# Allegro board LAY-31407_C2.brd (continued)
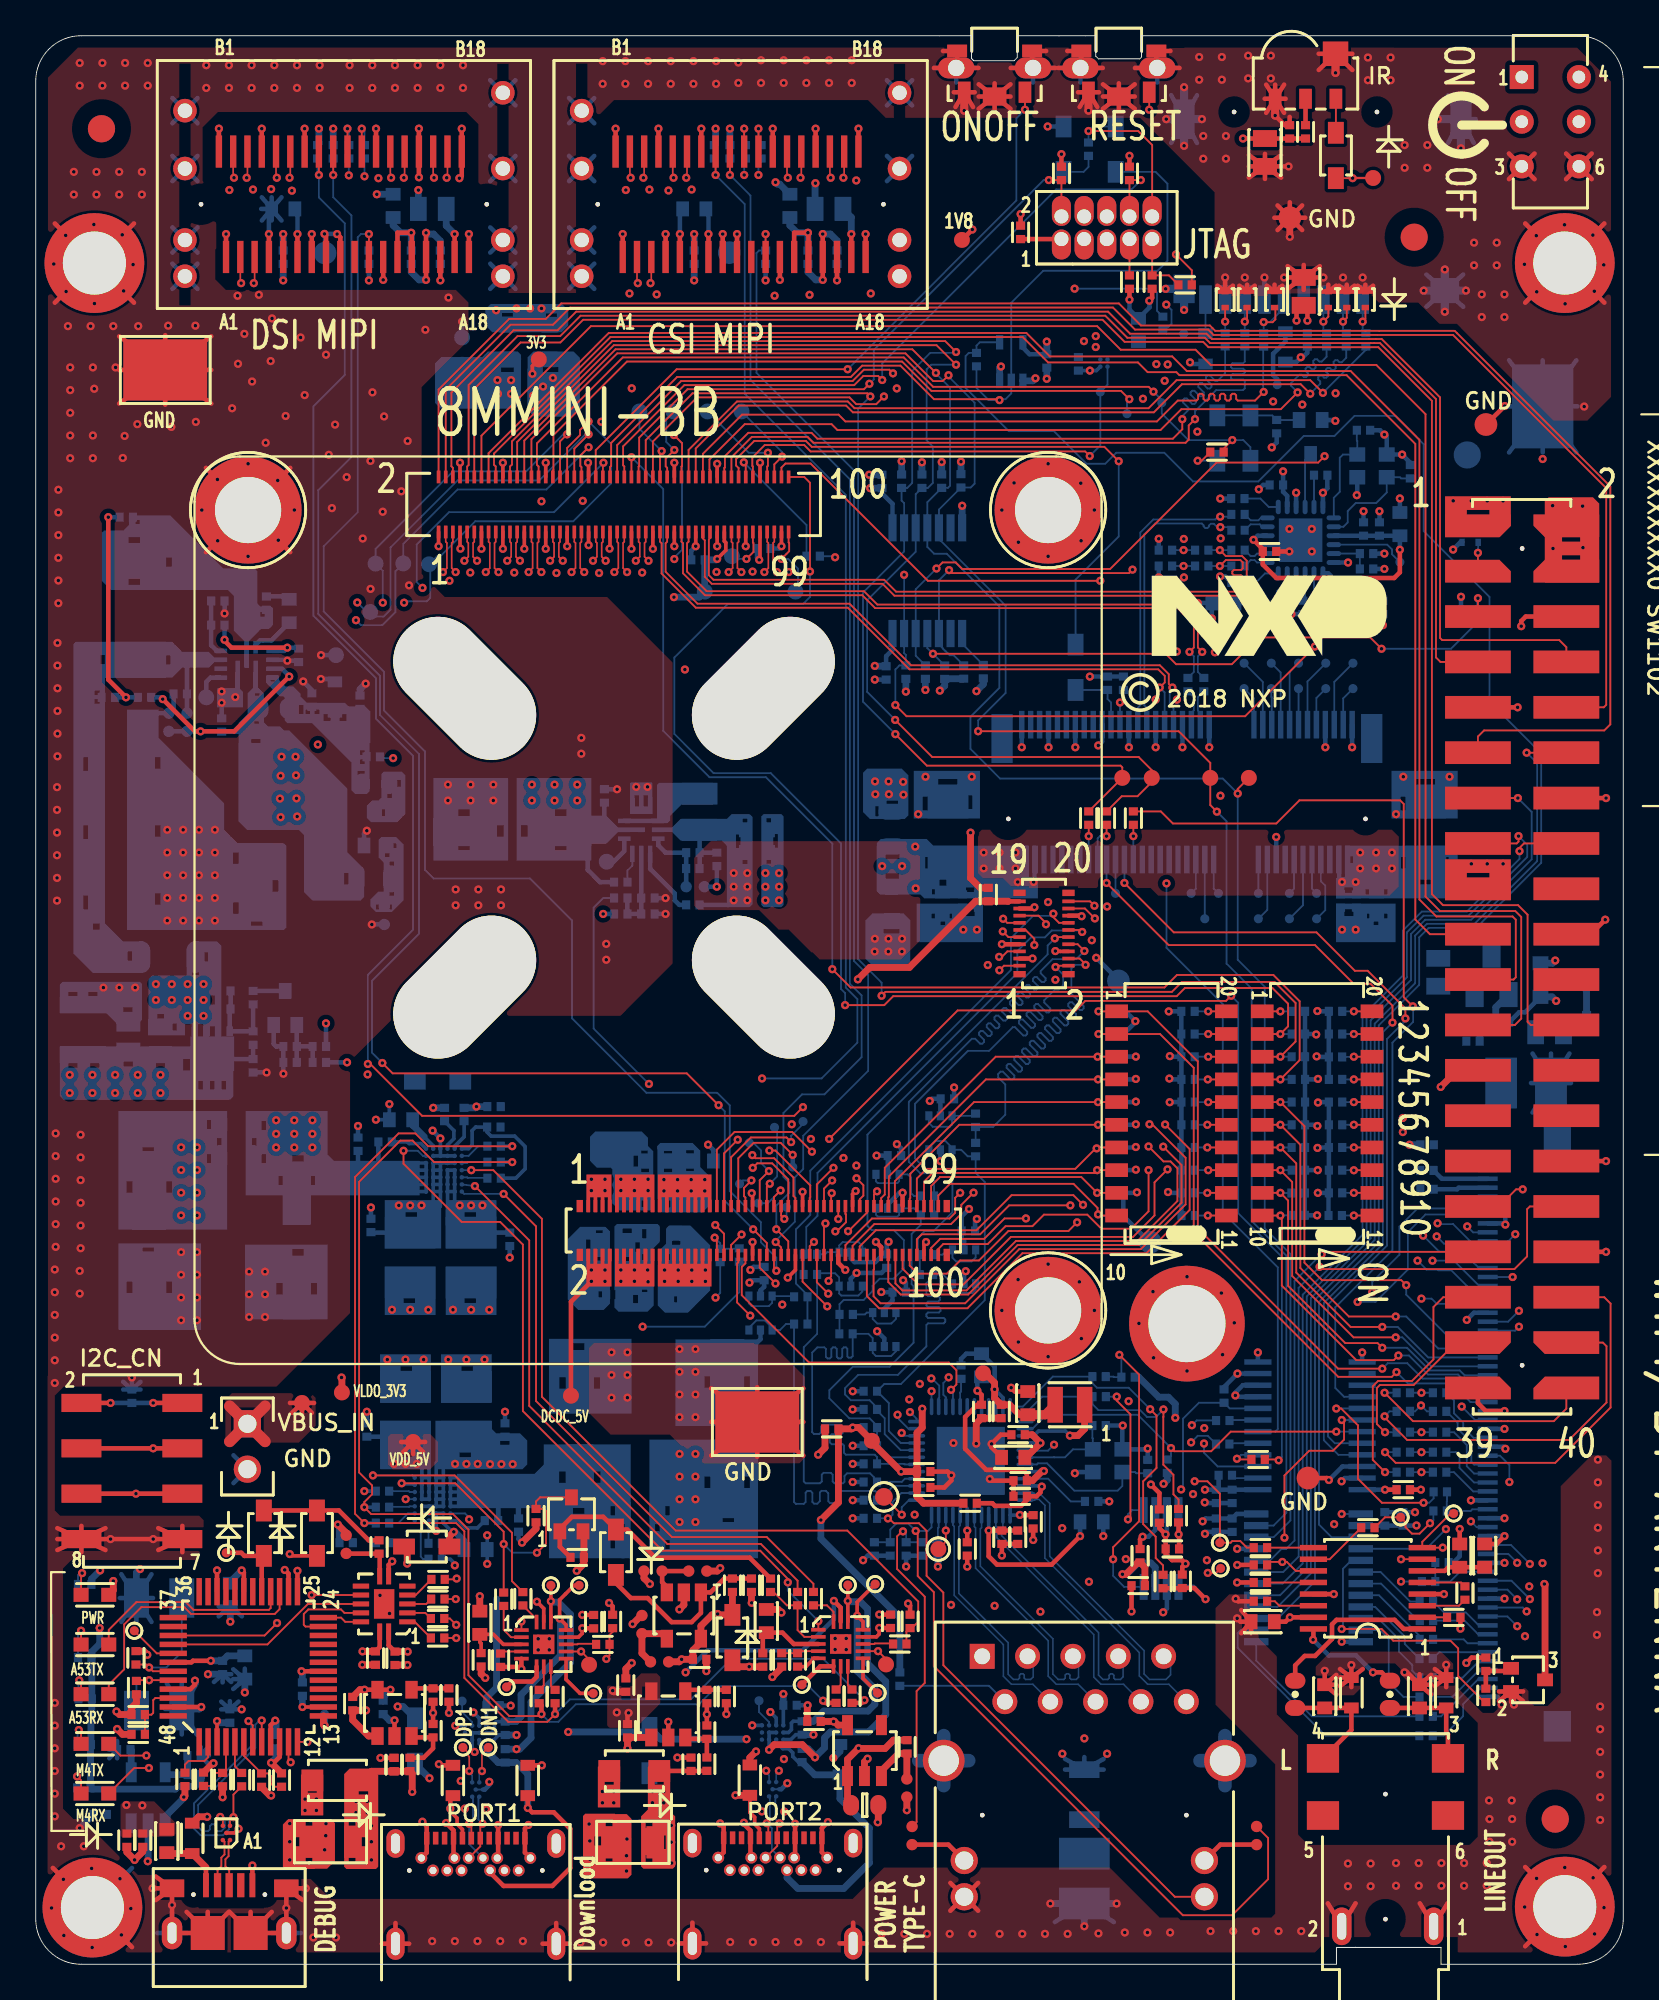
[diagram p0: board, top side]
## Routing (per net, layer and track width the routed paths; a pad name or vN(x,y) marks a point on that pad's centre or on a via; arc(x,y) is an arc through that point) (continued)
N104271904: length 3.7
  BOTTOM w0.102: R1024.1 79.33,14.97 80.83,16.47 J1001.57
N104271907: length 3.4
  BOTTOM w0.102: R1020.1 80.01,19.23 80.78,18.47 J1001.53
N104271909: length 3.1
  BOTTOM w0.102: J1001.54 80.18,17.97 79.96,18.19 R1021.1
N104271911: length 3.2
  BOTTOM w0.102: J1001.55 78.59,17.47 R1022.1
N104271923: length 3.6
  BOTTOM w0.102: R1019.1 78.86,19.69 80.08,19.69 80.81,18.97 J1001.52
N104279466: length 1.6
  BOTTOM w0.102: R612.2 71.83,76.71 71.58,76.96 U601.8
N104279469: length 1.6
  BOTTOM w0.102: R613.2 71.08,76.46 U601.9
N104764716: length 2.3
  BOTTOM w0.102: R625.2 R624.2 U601.5
N105095140: length 2.1
  BOTTOM w0.099: J601.35 65.22,70.04 65.08,70.18 65.08,70.92 C615.2
N105095143: length 2.1
  BOTTOM w0.099: C616.2 64.85,70.92 64.85,70.19 64.72,70.05 J601.37
N105095456: length 3.8
  BOTTOM w0.102: D601.C R627.2 60.02,70.82 60.22,70.63 J601.55
N105218199: length 6.3
  BOTTOM w0.102: J501.2 53.38,15.59 R503.2
N105570556: length 1.9
  BOTTOM w0.102: TP621.1 J601.54
N106685017: length 2
  TOP w0.102: R921.1 J902.7
N106685043: length 2.1
  BOTTOM w0.102: R919.1 58.95,100.61 58.67,100.33 D907.C
N106685087: length 3.7
  TOP w0.102: R923.1 63.46,94.54 R922.1 J902.9
N106693815: length 23.3
  TOP w0.102: J1003.36 87.83,37.34 88.19,36.98 88.19,31.17 85.09,28.07 76.16,28.07 v1(75.56,28.66)
  BOTTOM w0.102: R1014.1 v1(75.56,28.66)
N106693817: length 20.1
  TOP w0.102: v1(75.53,30.67) 75.53,30.61 76.8,29.35 85.86,29.35 87.96,31.45 87.96,34.59 87.76,34.8 J1003.38
  BOTTOM w0.102: v1(75.53,30.67) 75.81,30.95 R1015.1
N106693819: length 13
  TOP w0.102: v1(75.53,31.99) 77.12,30.4 82.07,30.4 82.07,30.4 82.43,30.4 82.43,30.4 85.01,30.4 85.71,31.1 J1003.40
  BOTTOM w0.102: R1016.1 v1(75.53,31.99)
N106751784: length 3.4
  TOP w0.254: U301.3 21.12,12.7 R313.1 22.25,12.09 21.72,11.56 R306.2
N106751786: length 2.1
  TOP w0.254: R304.2 R314.1 21.12,15.44 U301.4
N106752514: length 3.6
  TOP w0.203: U303.3 26.19,17.91 25.63,18.47 C319.1 24.87,18.03 24.94,17.96 R349.2
N106760013: length 2.3
  BOTTOM w0.203: U302.A6 23.66,24.84 24.07,24.42 24.73,24.42 C315.1
N106760029: length 1.3
  BOTTOM w0.102: U302.A3 22.03,24.47 21.99,24.44 C316.1
N106825077: length 2.3
  TOP w0.254: R319.2 R321.1 36.45,12.62 U304.3
N106825079: length 2.3
  TOP w0.254: R318.2 R322.1 36.45,15.36 U304.4
N106825388: length 8
  BOTTOM w0.203: U305.A1 24.23,45.65 24.43,45.85 24.43,46.66 24.64,46.86 R354.2 25.28,46.58 25.5,46.36 26.82,46.36 27.41,45.77 27.41,44.53 26.88,44 R331.1
N106825551: length 4.4
  TOP w0.254: U306.3 42.45,17.93 41.81,18.56 C335.1 40.72,18.37 R350.2
N106826014: length 2.1
  BOTTOM w0.203: C330.1 20.81,46.03 20.9,45.94 21.57,45.94 U305.A6
N106826016: length 1.9
  BOTTOM w0.203: C333.1 23.42,46.67 23.42,46.22 23.06,45.86 U305.A3
N106851464: length 1.4
  TOP w0.203: U306.5 43.59,17.13 43.13,16.66 R327.1
N106918263: length 1.9
  TOP w0.102: U701.1 D709.C
N106947509: length 5.1
  BOTTOM w0.254: R129.1 C159.2 Q101.4 10.86,53.42 C138.2 R125.2
N106947511: length 1.8
  BOTTOM w0.254: R129.2 Q102.3
N106947532: length 3.9
  BOTTOM w0.254: Q102.1 C145.1 ; C145.1 R131.2 R134.2 ; C145.1 R133.1
N107058704: length 2.5
  BOTTOM w0.102: R328.2 21.7,22.67 21.56,22.82 21.56,24.39 21.63,24.45 U302.A2
N107059533: length 1.5
  BOTTOM w0.102: R329.2 20.89,26.48 20.94,26.44 U302.E1
N107060388: length 1.8
  BOTTOM w0.203: U305.A2 23.46,45.79 23.99,46.32 R330.2
N107060780: length 1.5
  BOTTOM w0.102: R331.2 25.28,44.02 24.19,44.02 24.16,44.05 U305.E1
N107162903: length 15.4
  TOP w0.102: J1003.35 78.82,37.34 78.27,36.79 78.27,33.86 77.07,32.65 75.17,32.65 74.87,32.36 74.87,28.23 v1(75.56,27.55)
  BOTTOM w0.102: R1017.2 v1(75.56,27.55)
N107162937: length 10
  TOP w0.102: J1003.37 79.54,34.8 77.16,32.42 75.27,32.42 75.1,32.25 75.1,30.24 v1(75.56,29.78)
  BOTTOM w0.102: R1018.2 v1(75.56,29.78)
N107283671: length 1.7
  TOP w0.102: SW1101.19 v1(73.81,52.07)
  BOTTOM w0.102: R1105.1 v1(73.81,52.07)
N107283673: length 1.7
  TOP w0.102: SW1101.20 v1(73.81,53.34)
  BOTTOM w0.102: R1103.1 v1(73.81,53.34)
N107295158: length 1.8
  BOTTOM w0.254: TP105.1 9.55,71.78 9.79,72.02 U101.3
N107626870: length 5
  BOTTOM w0.254: U102.5 C117.1 R115.1 R113.2 R114.2
N107626960: length 4
  BOTTOM w0.254: U102.3 34.86,62.64 35.28,62.22 R110.2 C118.2 R111.1
N107627021: length 1.7
  BOTTOM w0.102: R112.2 33.13,61.22 33.41,61.5 U102.6
N107627023: length 1.9
  BOTTOM w0.254: U102.9 U102.1
N107627135: length 1.9
  BOTTOM w0.254: TP103.1 32.36,61.71 32.96,62.32 U102.7
N107627186: length 3.9
  BOTTOM w0.254: U102.4 34.41,61.31 35.78,59.94 35.78,59.55 36.04,59.3 C122.1
N107637154: length 2.3
  BOTTOM w0.102: U203.8 51.88,73.91 R214.2
N107721671: length 1.5
  BOTTOM w0.102: U202.2 67.15,27.21 R209.2
N107724179: length 1.6
  BOTTOM w0.102: U202.5 66.89,29.16 R212.2
N107724192: length 2.1
  TOP w0.102: v1(67.27,28.3) 67.28,28.3 67.32,28.26 R211.2
  BOTTOM w0.102: U202.4 67.5,28.51 67.28,28.3 v1(67.27,28.3)
N107724212: length 1.6
  BOTTOM w0.102: U202.7 66.88,30.46 R213.2
N107750980: length 15.4
  TOP w0.254: R346.1 29.35,23.37 Q301.1 29.35,24.37 30.02,25.04 31.78,25.04 D311.A 33.12,24.33 34.7,22.76 39.98,22.76 R360.2
N107870832: length 12.4
  TOP w0.254: v1(5.05,70.92) 4.06,71.91 v1(4.06,81)
  BOTTOM w0.254: R136.1 v1(5.05,70.92) C160.1 ; R135.2 v1(4.06,81)
N107966089: length 2.9
  TOP w0.254: R537.1 64,24.07 v1(64,24.06) 64.02,24.04 R527.2
  BOTTOM w0.254: v1(64,24.06) 64,24.4 63.99,24.4 U508.8
N107966091: length 4.4
  TOP w0.254: R538.1 64.2,21.05 R528.2 64.88,21.06 v1(65.51,20.44)
  BOTTOM w0.254: v1(65.51,20.44) 64.82,21.12 U508.1
N107966128: length 2.7
  TOP w0.254: R526.1 61.84,23.79 v1(61.98,23.93)
  BOTTOM w0.254: v1(61.98,23.93) 62.31,23.93 62.69,24.31 U508.6
N107968412: length 3.7
  BOTTOM w0.102: R542.2 52.5,47.49 U506.6 51.31,47.01 51.18,46.88 50.23,46.88 50.01,47.1 U506.4
N107968479: length 3.5
  BOTTOM w0.102: R544.2 50.77,39.72 51.04,39.99 U507.4 51.34,39.55 51.54,39.34 52.41,39.34 52.64,39.57 U507.6
N107968670: length 3.4
  BOTTOM w0.102: U504.6 48.17,36.12 47.91,35.86 47.13,35.86 46.87,36.12 U504.4 46.54,36.48 46.43,36.38 R540.2
N107968707: length 4.4
  BOTTOM w0.102: U502.4 47.05,43.83 47.15,43.73 48.25,43.73 48.35,43.83 U502.6 48.83,44.22 49,44.04 49,43.18 49.18,43 R539.2
N107968717: length 3.5
  BOTTOM w0.102: R541.2 44.2,39.74 44.32,39.86 U503.4 44.99,40.23 45.19,40.42 46.07,40.42 46.29,40.2 U503.6
N107968739: length 3.5
  BOTTOM w0.102: R543.2 42.43,37.4 U505.6 41.23,37.02 41.05,36.84 40.09,36.84 39.93,36.99 U505.4
N108059802: length 97.1
  L3_IN1 w0.127: v1(20.02,67.51) 20.71,66.82 26.63,66.82 35.14,75.33 35.14,79.38 36.53,80.77 43.25,80.77 48.15,85.67 54.51,85.67 57.15,88.32 57.15,92.14 59.25,94.23 63.01,94.23 64.54,95.77 64.54,98.67 61.86,101.36 61.86,104.29 62.19,104.62 81.73,104.62 SW101.2 SW101.5
  BOTTOM w0.102: v1(20.02,67.51) 19.35,67.51 R140.1
N108161310: length 35.9
  TOP w0.381: C339.1 45.46,9.1 U312.1 45.46,11.47 v1(46.08,12.09) 46.09,12.08 47.56,12.08 48.03,12.54 R355.1
  L3_IN1 w0.254: v1(20.27,14.43) 21.85,12.85 23.72,12.85 24.31,13.44 29.39,13.44 v1(29.82,13) ; v1(46.08,12.09) 46.06,12.08 45.07,12.08 43.59,13.56 42.77,13.56 41.81,12.6 v1(39.8,12.6)
  BOTTOM w0.381: v1(20.27,14.43) 20.58,14.43 D309.C ; v1(29.82,13) 34.14,13 D308.C 35,12.6 v1(39.8,12.6)
N108194991: length 2.8
  TOP w0.254: R357.1 R356.2 35.08,21.39 35.34,21.12 U311.3
N108194993: length 3.3
  TOP w0.381: U311.4 35.06,18.51 R359.1 33.95,17.41 R358.2
N108201139: length 7.5
  TOP w0.102: U901.43 6.56,16.4 v1(6.35,16.61) 6.18,16.78 C907.1
  BOTTOM w0.102: v1(6.35,16.61) 7.32,16.61 8.18,17.48 X901.1
N108201143: length 4.3
  TOP w0.102: C908.1 5.68,15.9 v1(6.35,15.9) U901.44
  BOTTOM w0.102: X901.3 5.64,15.65 5.89,15.9 v1(6.35,15.9)
N108201307: length 3.5
  TOP w0.102: U901.46 6.7,14.9 6.58,14.78 6.58,14.07 6.48,13.97 6.12,13.97 C902.1 R904.2
N108223122: length 2.4
  BOTTOM w0.381: U903.5 7.37,10.62 R928.1 8.5,11.67 C918.1
N108223184: length 1.3
  BOTTOM w0.381: U903.4 5.35,11.97 C917.1
N108237950: length 2.8
  TOP w0.102: R926.2 8.36,11.18 8.56,11.38 9.45,11.38 9.65,11.58 U901.2
N108242066: length 1.7
  TOP w0.102: v1(2.41,13.11) 2.54,12.99 D902.A
  BOTTOM w0.102: v1(2.41,13.11) 2.34,13.04 R902.1
N108242068: length 1.7
  TOP w0.102: D903.A 2.54,10.29 v1(2.32,10.52)
  BOTTOM w0.102: R903.1 v1(2.32,10.52)
N108243403: length 2.3
  TOP w0.102: D906.A v1(2.54,18.67)
  BOTTOM w0.102: v1(2.54,18.67) 2.37,18.5 R916.1
N108243405: length 1.9
  TOP w0.102: D905.A 2.54,15.79 v1(2.44,15.89)
  BOTTOM w0.102: R915.1 2.39,15.85 v1(2.44,15.89)
N108291814: length 1.6
  BOTTOM w0.102: TP309.1 23.88,14.12 24.44,13.56 U308.C3
N108294504: length 1.6
  BOTTOM w0.102: U310.C3 41.07,13.55 40.5,14.12 TP310.1
N108331169: length 3.6
  TOP w0.381: U312.3 47.36,10.83 48.32,11.79 R355.2 48.78,11.78 R361.2
N108338377: length 2.5
  TOP w0.254: R1032.2 R1033.1 82.47,16.42 Q1003.1
N108338539: length 3.9
  BOTTOM w0.381: Q1001.1 81.76,53.56 R1031.1 81.33,52.73 81.31,52.76 C1004.2 80.86,52.75 R1029.2
N108342788: length 41.6
  TOP w0.381: Q1003.3 84.52,21.25 v1(84.48,21.29)
  L3_IN1 w0.381: v1(84.48,21.29) 85.14,21.95 v1(85.14,53.92)
  BOTTOM w0.254: R1031.2 83.07,53.29 83.4,53.29 Q1002.1
  BOTTOM w0.381: Q1002.1 84.91,54.15 v1(85.14,53.92)
N108343972: length 2.2
  BOTTOM w0.381: R1030.2 86.84,54.52 Q1002.3
N108372965: length 7.1
  TOP w0.254: D910.C D909.C 16.98,25.4 18.65,23.73 R929.1
N108372967: length 3.1
  TOP w0.254: R930.2 17.4,22.98 R929.2 19.26,22.95 U904.8
N108373115: length 1.7
  TOP w0.102: R911.1 21.28,20.67 U904.5
N108373117: length 1.4
  TOP w0.102: R910.1 21.87,20.17 U904.4
N108373119: length 1.4
  TOP w0.102: U904.3 21.82,19.67 R909.1
N108373121: length 1.7
  TOP w0.102: U904.2 21.22,19.17 R908.1
N108512265: length 1.7
  TOP w0.102: SW1101.17 v1(73.81,49.53)
  BOTTOM w0.102: R1107.1 v1(73.81,49.53)
N108512267: length 1.7
  TOP w0.102: SW1101.16 v1(73.81,48.26)
  BOTTOM w0.102: R1109.1 v1(73.81,48.26)
N108512269: length 1.7
  TOP w0.102: SW1101.15 v1(73.81,46.99)
  BOTTOM w0.102: R1111.1 v1(73.81,46.99)
N108512271: length 1.7
  TOP w0.102: SW1101.14 v1(73.81,45.72)
  BOTTOM w0.102: R1113.1 v1(73.81,45.72)
N108512273: length 1.7
  TOP w0.102: SW1101.13 73.82,44.45 v1(73.81,44.44)
  BOTTOM w0.102: v1(73.81,44.44) 73.81,44.45 R1115.1
N108512275: length 1.7
  TOP w0.102: SW1101.12 v1(73.81,43.18)
  BOTTOM w0.102: R1117.1 v1(73.81,43.18)
N108512376: length 1.7
  TOP w0.102: SW1101.18 v1(73.81,50.8)
  BOTTOM w0.102: v1(73.81,50.8) 73.8,50.79 R1101.1
N108512604: length 1.7
  TOP w0.102: SW1101.11 v1(73.81,41.91)
  BOTTOM w0.102: R1135.1 73.81,41.91 v1(73.81,41.91)
N108512923: length 1.8
  TOP w0.102: SW1102.20 v1(65.66,53.34)
  BOTTOM w0.102: R1119.1 v1(65.66,53.34)
N108512925: length 1.8
  TOP w0.102: SW1102.19 v1(65.66,52.07)
  BOTTOM w0.102: R1121.1 v1(65.66,52.07)
N108512927: length 1.8
  TOP w0.102: SW1102.18 v1(65.66,50.8)
  BOTTOM w0.102: R1123.1 v1(65.66,50.8)
N108512929: length 1.8
  TOP w0.102: SW1102.17 v1(65.63,49.53)
  BOTTOM w0.102: R1125.1 v1(65.63,49.53)
N108512931: length 1.8
  TOP w0.102: SW1102.16 v1(65.66,48.26)
  BOTTOM w0.102: R1127.1 v1(65.66,48.26)
N108512933: length 1.8
  TOP w0.102: SW1102.15 v1(65.61,46.99)
  BOTTOM w0.102: R1129.1 v1(65.61,46.99)
N108512935: length 1.8
  TOP w0.102: SW1102.14 v1(65.61,45.72)
  BOTTOM w0.102: R1131.1 v1(65.61,45.72)
N108512937: length 1.8
  TOP w0.102: SW1102.13 v1(65.66,44.45)
  BOTTOM w0.102: R1133.1 v1(65.66,44.45)
N108513363: length 1.8
  TOP w0.102: SW1102.12 v1(65.61,43.18)
  BOTTOM w0.102: R1137.1 v1(65.61,43.18)
N108513365: length 1.8
  TOP w0.102: SW1102.11 v1(65.63,41.91)
  BOTTOM w0.102: R1138.1 v1(65.63,41.91)

## Copper pours and planes (outline as drawn; the poured copper is in the pictures)
GND on TOP (solid shape): 16.1,8.33 14.85,8.33 14.85,9.6 15.74,9.6 15.74,9.86 15.23,9.86 15.23,9.6 14.85,9.6 14.85,10.62 16.1,10.62
GND on TOP (solid shape): 32.73,8.78 31.48,8.78 31.48,10.05 32.37,10.05 32.37,10.31 31.86,10.31 31.86,10.05 31.48,10.05 31.48,11.07 32.73,11.07
GND on TOP (solid shape): 32.64,39.21 32.84,39.21 32.84,40.05 33.04,40.05 33.04,39.21 33.24,39.21 33.24,40.05 33.44,40.05 33.44,39.21 33.64,39.21 33.64,40.05 33.84,40.05 33.84,39.21 34.04,39.21 34.04,40.05 34.24,40.05 34.24,39.21 34.44,39.21 34.44,40.05 34.64,40.05 34.64,37.94 32.44,37.94 32.44,40.05 32.64,40.05
GND on TOP (solid shape): 34.64,42.1 34.44,42.1 34.44,42.93 34.24,42.93 34.24,42.1 34.04,42.1 34.04,42.93 33.84,42.93 33.84,42.1 33.64,42.1 33.64,42.93 33.44,42.93 33.44,42.1 33.24,42.1 33.24,42.93 33.04,42.93 33.04,42.1 32.84,42.1 32.84,42.93 32.64,42.93 32.64,42.1 32.44,42.1 32.44,44.2 34.64,44.2
GND on BOTTOM (solid shape): 11.44,71.39 11.6,71.23 11.6,70.36 10.16,70.36 10.16,71.43 11.14,71.43 11.18,71.47 11.18,71.96 11.18,72.34 11.44,72.34
GND on BOTTOM (solid shape): 22.13,31.44 19.28,31.44 19.28,33.09 21.07,33.09 21.07,33.47 20.43,33.47 20.43,33.09 19.28,33.09 19.28,34.14 22.13,34.14
GND on BOTTOM (solid shape): 22.39,36.34 19.55,36.34 19.55,37.02 21.24,37.02 21.24,37.4 20.6,37.4 20.6,37.02 19.55,37.02 19.55,39.05 22.39,39.05
GND on BOTTOM (solid shape): 25.54,31.44 22.69,31.44 22.69,33.09 24.48,33.09 24.48,33.47 23.85,33.47 23.85,33.09 22.69,33.09 22.69,34.14 25.54,34.14
GND on BOTTOM (solid shape): 25.8,36.34 22.96,36.34 22.96,37.02 24.65,37.02 24.65,37.4 24.02,37.4 24.02,37.02 22.96,37.02 22.96,39.05 25.8,39.05
GND on BOTTOM (solid shape): 34.53,66.11 34.53,64.4 33.28,64.4 33.28,64.8 34.28,64.8 34.28,65.43 34.03,65.43 34.03,64.8 33.78,64.8 33.78,65.43 33.53,65.43 33.53,64.8 33.28,64.8 33.28,66.11 33.33,66.16 34.49,66.16
GND on BOTTOM (solid shape): 16.35,36.1 11.72,36.1 11.72,37.5 15.76,37.5 15.76,38.13 15.38,38.13 15.38,37.5 13.86,37.5 13.86,38.13 13.48,38.13 13.48,37.5 11.72,37.5 11.72,39.66 15,39.66 15,40.04 14.36,40.04 14.36,39.66 11.72,39.66 11.72,40.28 16.35,40.28
GND on BOTTOM (solid shape): 33.36,30.83 28.74,30.83 28.74,32.22 31.61,32.22 31.61,32.86 31.23,32.86 31.23,32.22 29.7,32.22 29.7,32.86 29.32,32.86 29.32,32.22 28.74,32.22 28.74,34.38 30.72,34.38 30.72,34.76 30.09,34.76 30.09,34.38 28.74,34.38 28.74,35.01 33.36,35.01
GND on BOTTOM (solid shape): 26.45,61.78 22.27,61.78 22.27,62.36 24.3,62.36 24.3,62.74 23.67,62.74 23.67,62.36 22.27,62.36 22.27,63.12 26.21,63.12 26.21,63.76 25.83,63.76 25.83,63.12 22.27,63.12 22.27,64.27 24.3,64.27 24.3,64.65 23.67,64.65 23.67,64.27 22.27,64.27 22.27,66.4 26.45,66.4
GND on BOTTOM (solid shape): 79.63,64.13 75.92,64.13 75.92,64.59 76.76,64.59 76.76,64.67 79.2,64.67 79.2,65.43 78.87,65.43 78.87,64.67 76.76,64.67 76.76,65.35 76.43,65.35 76.43,64.59 75.92,64.59 75.92,65.94 78.36,65.94 78.36,66.34 77.29,66.34 77.29,65.94 75.92,65.94 75.92,66.8 79.63,66.8
GND on BOTTOM (solid shape): 5.94,54.89 5.94,52.86 5.51,52.42 4.76,52.42 3.94,53.24 1.35,53.24 1.35,53.31 5.41,53.31 5.41,53.57 4.9,53.57 4.9,53.31 1.35,53.31 1.35,54.18 3.45,54.18 3.45,54.43 2.95,54.43 2.95,54.18 2.34,54.18 2.34,54.43 1.83,54.43 1.83,54.18 1.35,54.18 1.35,54.84 1.5,54.99 5.84,54.99
GND on BOTTOM (solid shape): 41.88,64.25 41.88,59.3 41.75,59.17 40.76,59.17 40.63,59.3 40.63,61.61 41.18,61.61 41.18,61.86 40.92,61.86 40.92,61.61 40.63,61.61 40.63,62.5 41.56,62.5 41.56,63.26 41.3,63.26 41.3,62.5 40.63,62.5 40.63,63.9 41.18,63.9 41.18,64.15 40.92,64.15 40.92,63.9 40.63,63.9 40.63,64.25 40.76,64.38 41.75,64.38
GND on BOTTOM (solid shape): 52.87,64.13 49.17,64.13 49.17,64.59 50,64.59 50,64.67 52.44,64.67 52.44,65.43 52.11,65.43 52.11,64.67 50,64.67 50,65.35 49.67,65.35 49.67,64.59 49.17,64.59 49.17,65.94 51.6,65.94 51.6,66.34 50.54,66.34 50.54,65.94 49.17,65.94 49.17,66.8 52.87,66.8
GND on BOTTOM (solid shape): 9.26,35.51 4.64,35.51 4.64,37.58 7.63,37.58 7.63,38.21 7.25,38.21 7.25,37.58 5.47,37.58 5.47,38.21 5.09,38.21 5.09,37.58 4.64,37.58 4.64,39.73 6.62,39.73 6.62,40.12 5.98,40.12 5.98,39.73 4.64,39.73 4.64,40.36 9.26,40.36
GND on BOTTOM (solid shape): 40.45,30.13 35.83,30.13 35.83,30.37 39.1,30.37 39.1,30.75 38.47,30.75 38.47,30.37 35.83,30.37 35.83,32.27 39.99,32.27 39.99,32.91 39.61,32.91 39.61,32.27 37.83,32.27 37.83,32.91 37.45,32.91 37.45,32.27 35.83,32.27 35.83,34.98 40.45,34.98
GND on BOTTOM (solid shape): 52.16,59.37 52.54,59.37 53.04,59.37 53.04,57.21 49.33,57.21 49.33,58.17 50.93,58.17 50.93,58.42 50.67,58.42 50.67,58.17 49.33,58.17 49.33,58.55 51.31,58.55 51.31,58.67 52.58,58.67 52.58,59.05 52.07,59.05 52.07,58.67 51.31,58.67 51.31,58.8 51.05,58.8 51.05,58.55 50.42,58.55 50.42,58.8 50.16,58.8 50.16,58.55 49.33,58.55 49.33,59.37 51.65,59.37
GND on BOTTOM (solid shape): 74.21,59.37 76.15,59.37 76.15,57.21 72.81,57.21 72.81,58.17 75.18,58.17 75.18,58.42 74.93,58.42 74.93,58.17 72.81,58.17 72.81,58.55 75.69,58.55 75.69,58.8 75.44,58.8 75.44,58.55 74.8,58.55 74.8,58.8 74.55,58.8 74.55,58.55 72.81,58.55 72.81,58.67 73.79,58.67 73.79,59.05 73.28,59.05 73.28,58.67 72.81,58.67 72.81,59.37 73.32,59.37 73.7,59.37
GND on BOTTOM (solid shape): 6.88,68.65 10.55,64.98 10.55,63.5 11.3,62.75 13.89,62.75 14.04,62.61 14.04,58.04 13.89,57.9 5.12,57.9 5.12,58.14 12.69,58.14 12.69,58.52 12.06,58.52 12.06,58.14 5.12,58.14 5.12,58.8 11.43,58.8 11.43,59.44 11.05,59.44 11.05,58.8 5.12,58.8 5.12,59.31 6.99,59.31 6.99,59.94 6.6,59.94 6.6,59.31 5.12,59.31 5.12,60.05 13.58,60.05 13.58,60.68 13.2,60.68 13.2,60.05 5.12,60.05 5.12,61.43 5.12,61.6 11.43,61.6 11.43,62.23 11.05,62.23 11.05,61.6 5.12,61.6 5.12,63.12 6.99,63.12 6.99,63.75 6.6,63.75 6.6,63.12 5.12,63.12 5.12,66.93 6.99,66.93 6.99,67.56 6.6,67.56 6.6,66.93 5.12,66.93 5.12,70.23 6.88,70.23
GND on BOTTOM (solid shape): 34.28,46.27 34.28,45.81 34.58,45.5 34.58,42.28 34.49,42.19 32.69,42.19 32.49,42.39 34.14,42.39 34.14,42.75 33.93,42.75 33.93,42.39 32.49,42.39 32.28,42.6 32.28,43.05 32.3,43.07 32.33,43.13 32.35,43.19 32.36,43.26 32.36,43.32 32.35,43.38 32.34,43.45 32.32,43.51 32.28,43.57 32.28,43.68 32.32,43.74 32.34,43.8 32.35,43.87 32.36,43.93 32.36,43.99 32.35,44.06 32.33,44.12 32.3,44.18 32.28,44.2 32.28,44.34 34.34,44.34 34.34,44.54 33.91,44.54 33.91,44.34 32.28,44.34 32.28,44.5 32.2,44.59 31.42,44.59 31.36,44.65 33.73,44.65 33.73,45.26 33.48,45.26 33.48,44.65 31.36,44.65 31.04,44.97 31.04,45.36 34.26,45.36 34.26,45.54 33.91,45.54 33.91,45.36 31.04,45.36 31.04,46.32 31.33,46.61 33.94,46.61
GND on BOTTOM (solid shape): 34.95,41.31 34.95,40.43 34.56,40.04 34.56,39.09 34.6,39.05 34.6,36.87 34.25,36.52 32.64,36.52 32.41,36.76 32.41,37.01 33.73,37.01 33.73,37.47 33.45,37.47 33.45,37.01 32.41,37.01 32.41,37.23 32.47,37.23 32.47,37.63 34.25,37.63 34.25,37.75 33.94,37.75 33.94,37.63 32.47,37.63 32.47,37.73 32.41,37.73 32.41,39.37 33.4,39.37 33.4,39.42 34.14,39.42 34.14,39.75 33.96,39.75 33.96,39.42 33.4,39.42 33.4,39.6 32.87,39.6 32.87,39.37 32.41,39.37 32.41,39.88 33.82,39.88 33.82,40.41 33.57,40.41 33.57,39.88 32.41,39.88 32.41,40.64 34.21,40.64 34.21,41.15 33.96,41.15 33.96,40.64 32.41,40.64 32.41,40.93 33.37,40.93 33.37,41.18 32.87,41.18 32.87,40.93 32.41,40.93 32.41,41.3 32.54,41.44 34.82,41.44
GND on TOP: 31.27,34.78 40.21,34.78 40.3,34.69 41.25,34.69 43.07,32.87 43.07,28.35 42.76,28.04 37.12,28.04 35.51,29.65 32.19,29.65 30.98,30.86 30.98,34.48
GND on TOP: 2.26,0.66 0.66,2.26 0.66,32.92 0.69,32.94 0.69,105.61 2.36,107.29 52.12,107.29 52.22,107.19 52.22,106.68 52.45,106.45 54.91,106.45 55.19,106.73 55.19,107.24 55.24,107.29 59.08,107.29 59.13,107.24 59.13,106.81 59.44,106.5 61.9,106.5 62.15,106.76 62.15,107.21 62.2,107.26 64.31,107.26 64.34,107.29 76.05,107.29 76.06,107.28 86.32,107.28 88.21,105.39 88.21,87.73 86.89,86.41 84.99,86.41 79.58,91.82 78.61,91.82 77.42,93.01 75.21,93.01 74.7,93.52 69.88,93.52 69.72,93.37 66.29,93.37 66.01,93.65 66.01,99.19 61.85,103.35 47.6,103.35 46.61,104.34 32.38,104.34 31.22,103.17 31.22,93.95 30.81,93.55 25.83,93.55 24.79,94.59 24.79,103 24.1,103.68 10.21,103.68 9.35,102.82 9.35,99.82 10.11,99.06 10.11,96.04 10.06,95.99 10.06,94.31 10.64,93.73 23.52,93.73 24.23,93.01 24.23,90.91 21.62,88.29 21.62,77.83 22.91,76.53 32,76.53 35.66,72.87 35.66,56.01 32.74,53.09 20.14,53.09 17.6,50.55 17.6,36.45 13.49,32.33 1.57,32.33 1.07,31.83 1.07,25.4 1.36,25.11 9.16,25.11 9.4,24.87 9.4,23.11 8.92,22.63 2.01,22.63 1.52,22.15 1.52,8.71 2.11,8.13 2.59,8.13 5.71,5 8.43,5 8.61,4.83 8.61,3.68 9.17,3.12 12.75,3.12 13.06,3.43 13.06,4.5 13.33,4.78 15.39,4.78 16.51,3.66 45.75,3.66 47.5,5.41 60.15,5.41 62.94,2.62 69.19,2.62 69.41,2.83 69.41,11.19 66.07,14.53 66.07,19.94 66.83,20.7 68.3,20.7 68.48,20.52 68.48,18.26 69.49,17.25 69.49,14 70.69,12.8 70.69,7.26 71.27,6.68 80.29,6.68 80.75,7.14 80.75,13.51 79.2,15.06 77.06,15.06 76.91,15.21 76.91,15.75 76.43,16.23 76.43,16.54 76.12,16.84 74.63,16.84 74.19,16.41 74.19,15.44 73.81,15.06 71.91,15.06 71.68,15.29 71.68,16.66 72.52,17.5 78.69,17.5 79.45,16.74 79.45,15.65 81.03,14.07 81.64,14.07 81.86,14.3 81.86,15.37 82.19,15.7 83.19,15.7 83.59,15.29 83.59,14.78 83.92,14.45 84.66,14.45 85.4,15.19 85.4,26.77 87.11,28.49 87.93,28.49 88.24,28.18 88.24,2.49 86.41,0.66 79.68,0.66 79.04,1.3 72.26,1.3 71.63,0.66 ; 1 cut-out
GND on BOTTOM: 56.95,13.36 59.97,13.36 60.38,12.95 60.38,11.2 59.56,10.39 57.73,10.39 56.92,11.2 56.92,13.34
GND on BOTTOM: 2.79,0.71 0.64,2.87 0.64,47.17 1.12,47.65 3.15,47.65 3.81,46.99 3.81,35.13 4.55,34.39 7.98,34.39 11.43,30.94 11.43,26.42 11.35,26.34 11.35,24.69 10.54,23.88 10.54,22.05 10.11,21.62 10.11,20.7 10.34,20.47 11.35,20.47 11.63,20.19 11.63,18.06 12.14,17.55 12.14,14.4 10.59,12.85 10.59,11.33 10.21,10.95 9.73,10.95 9.25,11.43 8.99,11.43 8.94,11.48 8.94,12.14 8.76,12.32 6.3,12.32 6.15,12.47 4.98,12.47 4.98,11.58 4.57,11.18 3.84,11.18 3.66,11.35 3.66,16.13 4.24,16.71 4.24,21.74 3.38,22.61 2.24,22.61 1.65,22.02 1.65,9.09 4.45,6.3 7.7,6.3 7.7,6.22 11.71,2.21 34.59,2.21 35.63,3.25 53.99,3.25 55.19,4.44 69.29,4.44 73.08,8.23 77.62,8.23 79.57,10.17 85.18,10.17 86.89,11.89 86.89,16.69 85.74,17.84 85.74,20.21 86.13,20.6 86.13,47.09 86,47.22 83.67,47.22 83.31,47.57 83.31,51.13 83.41,51.23 84.76,51.23 84.81,51.28 84.81,51.46 88.16,51.46 88.16,58.32 88.01,58.17 87,58.17 86.16,59 84.81,59 86.13,60.33 86.13,66.93 82.5,70.56 82.5,76.81 81.68,77.63 81.68,81.76 78,85.44 78,90.14 78,90.14 78,90.94 75.77,93.17 75.77,94.77 75.29,95.25 67.59,95.25 63.7,99.14 63.7,101.12 61.24,103.58 61.24,104.19 61.14,104.29 59.97,104.29 59.13,103.45 58.7,103.45 57.63,104.52 53.7,104.52 48.95,99.77 46.69,99.77 46.3,99.39 44.86,99.39 43.59,100.66 43.59,101.52 43.05,102.06 41.4,102.06 41.07,102.39 41.07,103.38 40.54,103.91 38.4,103.91 37.59,103.1 37.59,99.49 37.13,99.03 35.66,99.03 35.51,98.88 35.51,97.46 35.53,97.43 35.53,93.42 35.33,93.22 32.79,93.22 32.72,93.29 25.76,93.29 24.49,94.56 24.49,95.86 23.83,96.52 23.85,96.55 23.85,99.14 20.85,102.13 20.85,102.16 20.62,102.39 19.02,102.39 18.67,102.74 18.67,102.97 18.08,103.56 15.85,103.56 15.39,103.1 15.39,99.82 14.55,98.98 13.92,98.98 13.87,98.93 13.87,97.28 13.31,96.72 13.31,93.85 16.48,90.68 16.48,88.87 14.94,87.33 14.94,79.91 13.53,78.51 11.42,78.51 11.39,78.54 11.04,78.54 9.22,80.36 9.22,80.71 8.04,81.89 3.84,81.89 3.07,81.13 3.07,75.36 1.73,74.02 1.73,55.91 1.57,55.75 0.97,55.75 0.74,55.98 0.74,105.84 2.16,107.26 52.17,107.26 52.22,107.21 52.22,106.71 52.48,106.45 54.91,106.45 55.19,106.73 55.19,107.26 59.16,107.26 59.18,107.24 59.18,106.78 59.44,106.53 61.93,106.53 62.13,106.73 62.13,107.24 62.15,107.26 85.8,107.26 88.16,104.9 88.16,92.69 88.21,92.64 88.21,2.46 86.49,0.74 79.4,0.74 78.71,1.42 72.64,1.42 71.93,0.71 ; 2 cut-outs
GND on L2_GND1: 2.54,0.64 1.19,1.19 0.64,2.54 0.64,105.41 1.19,106.76 2.54,107.31 52.22,107.31 52.22,106.71 52.48,106.45 54.97,106.45 55.19,106.68 55.19,107.29 55.22,107.31 59.11,107.31 59.18,107.24 59.18,106.76 59.41,106.53 61.93,106.53 62.13,106.73 62.13,107.26 62.18,107.31 86.36,107.31 87.71,106.76 88.26,105.41 88.26,2.54 87.71,1.19 86.36,0.64
GND on L3_IN1: 79.93,0.69 79.25,1.37 72.25,1.37 71.59,0.71 2.22,0.71 0.67,2.26 0.67,5.75 0.65,5.77 0.65,8.13 0.65,8.14 0.65,105.51 2.44,107.31 52.17,107.31 52.22,107.26 52.22,106.71 52.48,106.45 54.89,106.45 55.19,106.76 55.19,107.29 55.21,107.31 59.11,107.31 59.18,107.23 59.18,106.76 59.41,106.53 61.9,106.53 62.13,106.76 62.13,107.31 86.23,107.31 88.23,105.31 88.23,2.34 86.58,0.69 ; 1 cut-out
GND on L4_POWER_1: 2.54,0.64 1.19,1.19 0.64,2.54 0.64,105.41 1.19,106.76 2.54,107.31 52.17,107.31 52.25,107.24 52.25,106.68 52.48,106.45 54.91,106.45 55.19,106.73 55.19,107.31 59.13,107.31 59.18,107.26 59.18,106.76 59.41,106.53 61.9,106.53 62.13,106.76 62.13,107.31 86.36,107.31 87.71,106.76 88.26,105.41 88.26,2.54 87.71,1.19 86.36,0.64 79.2,0.64 79.2,1.12 79.02,1.3 72.26,1.3 72.19,1.22 72.19,0.64 ; 1 cut-out
GND on L5_POWER_2: 2.54,0.64 1.19,1.19 0.64,2.54 0.64,105.41 1.19,106.76 2.54,107.31 52.2,107.31 52.22,107.29 52.22,106.71 52.5,106.43 54.76,106.43 54.81,106.48 54.94,106.48 55.19,106.73 55.19,107.31 59.13,107.31 59.18,107.26 59.18,106.78 59.44,106.53 61.93,106.53 62.13,106.73 62.13,107.26 62.18,107.31 86.36,107.31 87.71,106.76 88.26,105.41 88.26,2.54 87.71,1.19 86.36,0.64 79.2,0.64 79.2,1.12 79.02,1.3 72.26,1.3 72.19,1.22 72.19,0.64 ; 1 cut-out
GND on L6_IN2: 2.27,0.66 0.68,2.25 0.68,105.73 2.24,107.29 52.15,107.29 52.22,107.21 52.22,106.68 52.45,106.45 54.91,106.45 55.19,106.73 55.19,107.29 59.13,107.29 59.18,107.24 59.18,106.78 59.44,106.53 61.93,106.53 62.13,106.73 62.13,107.26 62.15,107.29 86.42,107.29 88.21,105.5 88.21,2.77 86.13,0.69 80.64,0.69 80.63,0.7 80.09,0.7 79.45,1.35 72.26,1.35 71.59,0.67 71.21,0.67 71.2,0.66 ; 1 cut-out
GND on L7_GND2: 2.54,0.64 1.19,1.19 0.64,2.54 0.64,105.41 1.19,106.76 2.54,107.31 52.15,107.31 52.22,107.24 52.22,106.71 52.48,106.45 54.91,106.45 55.19,106.73 55.19,107.26 55.24,107.31 59.13,107.31 59.18,107.26 59.18,106.78 59.44,106.53 61.93,106.53 62.13,106.73 62.13,107.29 62.15,107.31 86.36,107.31 87.71,106.76 88.26,105.41 88.26,2.54 87.71,1.19 86.36,0.64
GND_CHASSIS on BOTTOM: 49.3,13.84 52.4,13.84 53.2,13.04 55.16,13.04 56.41,11.79 56.41,10.46 57,9.88 59.87,9.88 60.38,10.39 60.38,10.72 63.5,13.84 68.25,13.84 68.66,13.44 68.66,7.54 66.19,5.08 50.93,5.08 48.77,7.24 48.77,13.31 ; 5 cut-outs
VBUS_EXT on BOTTOM: 82.93,45.21 82.04,44.32 79.3,44.32 78.94,44.68 78.89,44.68 78.87,44.7 77.88,44.7 77.75,44.58 77.75,43.18 76.73,43.18 76.58,43.33 76.58,44.55 76.61,44.58 76.61,44.88 77.01,45.29 77.24,45.33 77.47,45.34 77.85,45.34 78.02,45.5 78.02,45.83 78.05,45.87 78.05,46.3 78.36,46.61 78.36,48.56 79.58,49.78 79.58,50.62 79.86,50.9 81.15,50.9 81.33,51.08 81.33,52.12 81.46,52.25 82.88,52.25 83.06,52.43 83.06,52.71 83.31,52.96 84.45,52.96 84.56,52.86 84.56,51.51 84.45,51.41 83.34,51.41 82.93,51 ; 3 cut-outs
VBUS_IN on BOTTOM (solid shape): 10.72,41.12 4.64,41.12 4.64,43.19 7.63,43.19 7.63,43.82 7.25,43.82 7.25,43.19 5.47,43.19 5.47,43.82 5.09,43.82 5.09,43.19 4.64,43.19 4.64,44.84 9.84,44.84 9.84,45.35 9.59,45.35 9.59,44.84 4.64,44.84 4.64,45.35 6.62,45.35 6.62,45.73 5.98,45.73 5.98,45.35 4.64,45.35 4.64,45.78 10.4,45.78 10.4,46.29 10.15,46.29 10.15,45.78 4.64,45.78 4.64,46.74 9.84,46.74 9.84,47.25 9.59,47.25 9.59,46.74 4.64,46.74 4.64,47.76 10.72,47.76
VBUS_IN on BOTTOM (solid shape): 40.45,22.72 34.37,22.72 34.37,23.23 35.5,23.23 35.5,23.74 35.24,23.74 35.24,23.23 34.37,23.23 34.37,24.2 34.94,24.2 34.94,24.71 34.68,24.71 34.68,24.2 34.37,24.2 34.37,24.76 39.1,24.76 39.1,25.14 38.47,25.14 38.47,24.76 34.37,24.76 34.37,25.14 35.5,25.14 35.5,25.65 35.24,25.65 35.24,25.14 34.37,25.14 34.37,26.66 39.99,26.66 39.99,27.3 39.61,27.3 39.61,26.66 37.83,26.66 37.83,27.3 37.45,27.3 37.45,26.66 34.37,26.66 34.37,29.37 40.45,29.37
VBUS_IN on BOTTOM (solid shape): 12.44,71.47 12.78,71.13 12.78,69.52 13,69.29 13.67,69.29 13.9,69.06 14.2,69.06 17.45,65.81 17.45,62.26 18.39,61.32 18.39,59.74 18.19,59.54 15.51,59.54 15.02,60.02 15.02,60.45 17.53,60.45 17.53,61.09 17.27,61.09 17.27,60.45 15.02,60.45 15.02,63.2 14.72,63.5 11.83,63.5 11.36,63.97 11.36,68.33 12.57,68.33 12.57,68.58 12.06,68.58 12.06,68.33 11.36,68.33 11.36,69.44 12.5,69.44 12.5,69.57 12.24,69.57 12.24,69.44 11.36,69.44 11.36,69.48 11.87,69.98 11.87,71.02 12.52,71.02 12.52,71.15 12.27,71.15 12.27,71.02 11.87,71.02 11.87,71.15 12.18,71.47 12.18,72.34 12.44,72.34
VBUS_IN on TOP: 10.98,31.97 15.41,31.97 15.68,31.7 15.68,30.15 14.73,29.2 10.87,29.2 10.62,29.46 10.62,31.6
VBUS_IN on BOTTOM: 81,55.32 81.25,55.07 81.25,53.67 80.92,53.34 80.59,53.34 80.37,53.11 80.37,51.36 80.21,51.21 79.63,51.21 79.27,50.85 79.27,49.86 78,48.59 78,46.94 77.39,46.33 76.38,46.33 76.23,46.48 76.23,50.93 77.83,52.53 77.83,55.19 77.95,55.32 ; 4 cut-outs
VBUS_IN on L5_POWER_2: 22.58,23.86 22.22,24.22 22.16,29.02 11.6,29.02 7.52,33.1 7.52,68.37 8.18,69.03 15.39,69.03 16.73,67.7 16.73,44.83 19.05,42.51 72.68,42.51 73.68,43.5 73.68,47.46 74.01,47.79 77.76,47.79 78.18,47.37 78.18,40.41 76.76,38.98 55.13,38.98 40.01,23.86